# Altium PCB nanoga_mezzanine.PcbDoc (part 1 of 3) (continued)
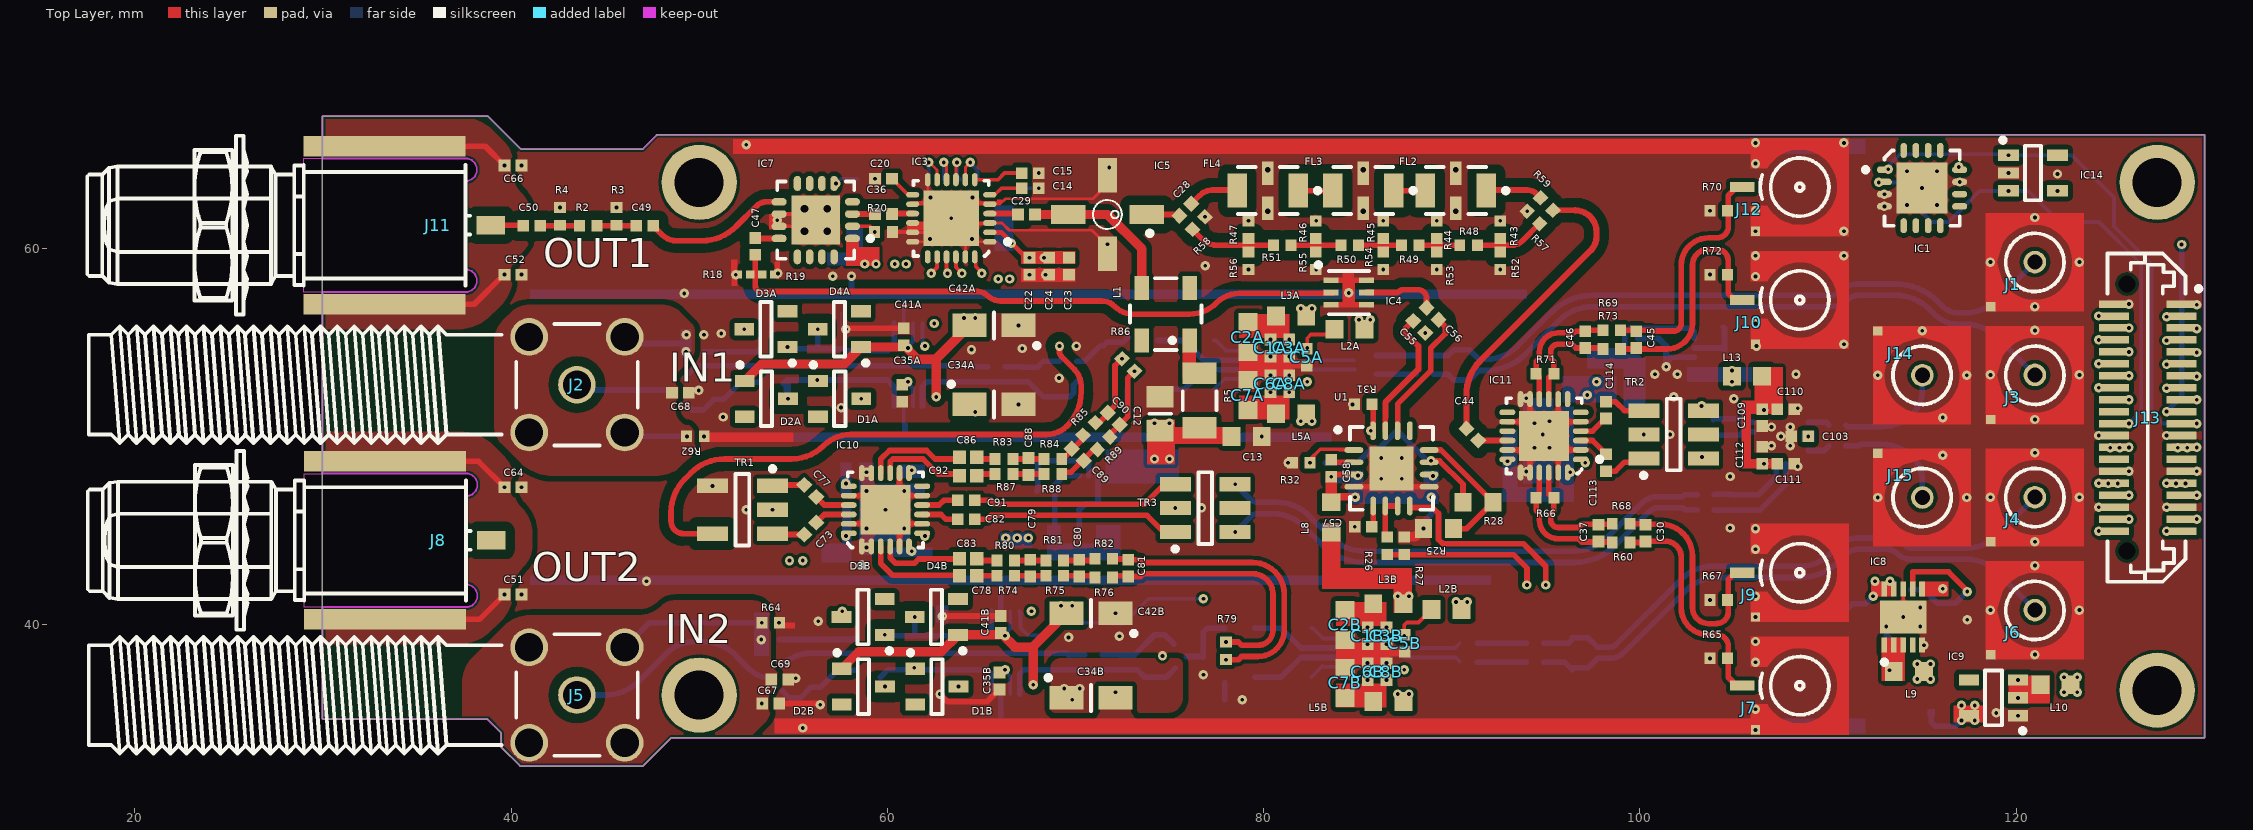
[diagram p0: Top Layer view]
## Classes and differential pairs
component class U_IQ_Modulator: C30 C37 C44 C45 C46 C48 C70 C71 C72 C113 C114 C116 IC11 L4 R38 R60 R65 R66 R67 R68 R69 R70 R71 R72 R73 TR2
component class U_Mgmt: C43 C54 IC1 IC14
component class U_DAC_channel2: C12 C13 C14 C15 C16 C17 C18 C19 C20 C21 C22 C23 C24 C28 C29 C36 C38 C39 C40 C47 C49 C50 C55 C56 C57 C58 C59 C60 C61 C62 FL2 FL3 FL4 IC3 IC4 IC5 IC7 L1 L6 L7 L8 R2 R3 R4 R5 R18 R19 R20 R23 R25 R26 R27 R28 R29 R30 R31 R32 R43 R44 R45 R46 R47 R48 R49 R50 R51 R52 R53 R54 R55 R56 R57 R58 R59 U1
component class U_ADC_channel2: C1B C2B C3B C4B C5B C6B C7B C8B C9B C31B C33B C34B C35B C41B C42B C63B D1B D2B D3B D4B IC2B IC6B L2B L3B L5B R1B R6B R7B R8B R9B R10B R11B R12B R13B R14B R15B R16B R21B R22B R24B R33B R34B R35B R36B R37B R40B R41B R42B
component class U_ADC_channel1: C1A C2A C3A C4A C5A C6A C7A C8A C9A C31A C33A C34A C35A C41A C42A C63A D1A D2A D3A D4A IC2A IC6A L2A L3A L5A R1A R6A R7A R8A R9A R10A R11A R12A R13A R14A R15A R16A R21A R22A R24A R33A R34A R35A R36A R37A R40A R41A R42A
channel class ADC_channel: U_ADC_channel1 U_ADC_channel2
component class U_B2B_connectors: J1 J3 J4 J6 J7 J9 J10 J12 J13 J14 J15 R17
component class U_FP_connectors: C10 C32 C51 C52 C64 C65 C66 C67 C68 C69 J2 J5 J8 J11 R61 R62 R63 R64
component class U_PowerSupply: C11 C25 C26 C27 C53 C76 C84 C87 C99 C100 C101 IC8 IC9 IC12 IC15 L9 L10 L12 L14 R39 R91 R100
net class 50_Ohms: IH_P NetC9A_2 NetC9B_2 NetC28_1 NetC28_2 NetC29_2 NetC31A_1 NetC31B_1 NetC36_1 NetC36_2 NetC44_1 NetC47_1 NetC49_1 NetC49_2 NetC50_1 NetC55_2 NetC56_1 NetC56_2 NetC74_2 NetFL2_1 NetFL2_3 NetFL3_3 NetIC2A_2 NetIC2A_3 NetIC2B_2 NetIC2B_3 NetIC6A_7 NetIC6B_7 NetR6A_2 NetR6B_2 NetR7A_2 NetR7B_2 NetR11A_1 NetR11B_1 NetR35A_2 NetR35B_2 NetR43_2 NetR44_2 NetR45_2 NetR46_2 NetR47_2 PD_IN QH_P RF2_OUT RF_IN RF_OUT1 SIG1_IN SIG2_IN
component class U_IQ_Demodulator: C73 C74 C75 C77 C78 C79 C80 C81 C82 C83 C85 C86 C88 C89 C90 C91 C92 C93 C94 C95 C96 C97 C98 IC10 L11 R74 R75 R76 R77 R78 R79 R80 R81 R82 R83 R84 R85 R86 R87 R88 R89 R90 R93 R96 R98 R99 TR1 TR3
component class U_LO_Distribution: C102 C103 C104 C105 C106 C107 C108 C109 C110 C111 C112 IC13 L13 R92 R94 R95 R97
differential pair LOM: +LOM_P -LOM_N
differential pair LO1: +LO1_P -LO1_N
differential pair LO0: +LO0_P -LO0_N
differential pair QBB: +QBB_P -QBB_N
differential pair IBB: +IBB_P -IBB_N
differential pair LOI: +LOI_P -LOI_N
differential pair DAC2_OUT: +DAC2_OUT_P -DAC2_OUT_N
differential pair DAC1_OUT: +DAC1_OUT_P -DAC1_OUT_N
differential pair ADC2_IN: +ADC2_IN_P -ADC2_IN_N
differential pair ADC1_IN: +ADC1_IN_P -ADC1_IN_N
differential pair LO_TRO: +LO_TRO_P -LO_TRO_N
differential pair LOI_DEMOD: +LOI_DEMOD_P -LOI_DEMOD_N
differential pair LOIMOD: +LOIMOD_P -LOIMOD_N
differential pair LOITR: +LOITR_P -LOITR_N
differential pair Q0: +Q0_P -Q0_N
differential pair Q1: +Q1_P -Q1_N
differential pair RFI: +RFI_P -RFI_N
differential pair RFITR: +RFITR_P -RFITR_N
differential pair IHI: +IHI_P -IHI_N
differential pair QHI: +QHI_P -QHI_N
differential pair IH: +IH_P -IH_N
differential pair QH: +QH_P -QH_N

## Components (designator, comment, footprint, x,y, rotation, side; value= is the part's Value field where it differs from the comment)
C1A "100nF" CAPC1005X55N 80.37,54.7 r90 top (schematic designator C1)
C1B "100nF" CAPC1005X55N 85.53,39.4 r90 top (schematic designator C1)
C2A "10uF" CAPC1608X87N 79.17,55.275 r90 top (schematic designator C2)
C2B "10uF" CAPC1608X87N 84.33,39.975 r90 top (schematic designator C2)
C3A "1nF" CAPC1005X55N 81.37,54.7 r90 top (schematic designator C3)
C3B "1nF" CAPC1005X55N 86.53,39.4 r90 top (schematic designator C3)
C4A "10pF" CAPC1608X87N 87,53.8 r90 bottom (schematic designator C4)
C4B "10pF" CAPC1608X87N 92.6,38.5 r90 bottom (schematic designator C4)
C5A "100nF" CAPC1005X55N 82.3,54.2 r90 top (schematic designator C5)
C5B "100nF" CAPC1005X55N 87.5,39 r90 top (schematic designator C5)
C6A "100nF" CAPC1005X55N 80.37,52.8 r270 top (schematic designator C6)
C6B "100nF" CAPC1005X55N 85.53,37.5 r270 top (schematic designator C6)
C7A "10uF" CAPC1608X87N 79.17,52.2 r270 top (schematic designator C7)
C7B "10uF" CAPC1608X87N 84.33,36.9 r270 top (schematic designator C7)
C8A "1nF" CAPC1005X55N 81.37,52.8 r270 top (schematic designator C8)
C8B "1nF" CAPC1005X55N 86.53,37.5 r270 top (schematic designator C8)
C9A "18pF" CAPC1005X55N 57.77,52.2 r90 bottom (schematic designator C9)
C9B "18pF" CAPC1005X55N 62.93,36.8 r90 bottom (schematic designator C9)
C10 "10pF" CAPC1005X55N 49.77,55.4 r0 bottom
C11 "10uF" CAPC1608X87N 112.9,41.1 r90 bottom
C12 "1uF" CAPC2012X140N 74.5,51.2 r270 top
C13 "100nF" CAPC1608X87N 79.1,50 r180 top
C14 "10nF" CAPC1005X55N 67.597,63.195 r180 top
C15 "10nF" CAPC1005X55N 67.597,63.995 r180 top
C16 "10nF" CAPC1005X55N 64.797,63.195 r90 bottom
C17 "10nF" CAPC1005X55N 63.897,63.195 r90 bottom
C18 "10nF" CAPC1005X55N 62.997,63.195 r90 bottom
C19 "10nF" CAPC1005X55N 62.097,63.195 r90 bottom
C20 "10nF" CAPC1005X55N 59.797,63.695 r0 top
C21 "10uF" CAPC1608X80N 66.197,62.465 r270 bottom
C22 "100nF" CAPC1005X55N 67.558,59.045 r90 top
C23 "1nF" CAPC1005X55N 69.658,59.045 r90 top
C24 "100pF" CAPC1005X55N 68.608,59.045 r90 top
C25 "4.7uF" CAPC1709X95N 113.5,38.3 r270 bottom
C26 "4.7uF" CAPC1709X95N 117.4,41 r90 bottom
C27 "2.2uF" CAPC1608X90N 120.1,35.8 r90 bottom
C28 "10nF" CAPC1005X55N 75.844,62.049 r225 top
C29 "10nF" CAPC1005X55N 67.397,61.795 r180 top
C30 "DNP" CAPC1005X55N 100.304,44.86 r270 top value=1.5nF
C31A "180pF" CAPC3216X140N 56.17,53.8 r270 bottom (schematic designator C31)
C31B "180pF" CAPC3216X140N 61.33,38.5 r270 bottom (schematic designator C31)
C32 "10pF" CAPC1005X55N 53.8,40.1 r0 bottom
C33A "18pF" CAPC1005X55N 57.77,55.3 r270 bottom (schematic designator C33)
C33B "18pF" CAPC1005X55N 62.93,40 r270 bottom (schematic designator C33)
C34A "10uF" CAPMP3216X180N 65.67,51.7 r0 top (schematic designator C34)
C34B "10uF" CAPMP3216X180N 70.83,36.1 r0 top (schematic designator C34)
C35A "100nF" CAPC1005X55N 60.8,52.3 r90 top (schematic designator C35)
C35B "100nF" CAPC1005X55N 65.96,37 r90 top (schematic designator C35)
C36 "10nF" CAPC1005X55N 59.797,61.82 r180 top
C37 "DNP" CAPC1005X55N 97.804,44.86 r270 top value=1.5nF
C38 "100pF" CAPC1005X55N 58.097,58.965 r270 bottom
C39 "10uF" CAPC1608X80N 57.497,60.865 r0 bottom
C40 "100nF" CAPC1005X55N 57.097,58.965 r90 bottom
C41A "100nF" CAPC1005X55N 60.87,55.3 r270 top (schematic designator C41)
C41B "100nF" CAPC1005X55N 66.03,40 r270 top (schematic designator C41)
C42A "10uF" CAPMP3216X180N 65.67,55.9 r180 top (schematic designator C42)
C42B "10uF" CAPMP3216X180N 70.83,40.6 r180 top (schematic designator C42)
C43 "100nF" CAPC1005X55N 122.2,63.5 r270 bottom
C44 "10nF" CAPC1005X55N 91.1,50.1 r135 top
C45 "DNP" CAPC1005X55N 99.806,55.147 r90 top value=1.5nF
C46 "DNP" CAPC1005X55N 97.106,55.147 r90 top value=1.5nF
C47 "10nF" CAPC1005X55N 52.975,60.097 r270 top
C48 "100nF" CAPC1005X55N 93.7,50.1 r180 bottom
C49 "10nF" CAPC1005X55N 47.1,61.195 r180 top
C50 "10nF" CAPC1005X55N 41.1,61.195 r180 top
C51 "10nF" CAPC1005X55N 40.1,41.6 r180 top
C52 "10nF" CAPC1005X55N 40.1,58.6 r180 top
C53 "2.2uF" CAPC1608X90N 118.2,35.3 r180 bottom
C54 "100nF" CAPC1005X55N 116.5,64.325 r0 bottom
C55 "10nF" CAPC1005X55N 88.282,55.818 r135 top
C56 "10nF" CAPC1005X55N 88.982,56.518 r315 top
C57 "100nF" CAPC1005X55N 85.3,45.2 r180 top
C58 "100nF" CAPC1005X55N 83.6,48.3 r90 top
C59 "100nF" CAPC1005X55N 88.915,46.321 r90 bottom
C60 "100nF" CAPC1005X55N 84.865,46.321 r90 bottom
C61 "100pF" CAPC1005X55N 88.165,47.921 r180 bottom
C62 "100pF" CAPC1005X55N 85.465,47.921 r0 bottom
C63A "10pF" CAPC1608X87N 90.1,53.8 r90 bottom (schematic designator C63)
C63B "10pF" CAPC1608X87N 96.4,38.5 r90 bottom (schematic designator C63)
C64 "10nF" CAPC1005X55N 40.1,47.3 r0 top
C65 "10nF" CAPC1005X55N 49.9,49.9 r180 bottom
C66 "10nF" CAPC1005X55N 40.1,64.4 r0 top
C67 "10nF" CAPC1005X55N 53.8,35.8 r180 top
C68 "10nF" CAPC1005X55N 49,52.313 r180 top
C69 "10nF" CAPC1005X55N 54.276,37.078 r180 top
C70 "100pF" CAPC1005X55N 93.7,49.1 r180 bottom
C71 "100nF" CAPC1005X55N 95.5,50.1 r0 bottom
C72 "100pF" CAPC1005X55N 95.5,48.1 r0 bottom
C73 "100pF" CAPC1005X55N 55.9,45.1 r45 top
C74 "100pF" CAPC1005X55N 69.6,54.9 r180 bottom
C75 "DNP" CAPC1005X55N 53.2,46.1 r180 bottom value=100pF
C76 "10uF" CAPC1608X87N 75.8,48.8 r180 bottom
C77 "100pF" CAPC1005X55N 55.9,47.1 r315 top
C78 "10uF" CAPC1005X70N 64.3,42.6 r0 top
C79 "DNP" CAPC1005X55N 67.6,43 r270 top value=1.5nF
C80 "DNP" CAPC1005X55N 70.2,43 r270 top value=1.5nF
C81 "DNP" CAPC1005X55N 72.8,43 r270 top value=1.5nF
C82 "100pF" CAPC1005X55N 64.2,45.6 r180 top
C83 "10uF" CAPC1005X70N 64.3,43.5 r0 top
C84 "4.7uF" CAPC1709X95N 68.1,45.8 r0 bottom
C85 "DNP" CAPC1005X55N 76,46.2 r0 bottom value=100pF
C86 "10uF" CAPC1005X70N 64.3,48.9 r0 top
C87 "4.7uF" CAPC1709X95N 67.2,47.1 r0 bottom
C88 "DNP" CAPC1005X55N 67.5,48.4 r90 top value=1.5nF
C89 "DNP" CAPC1005X55N 70.122,49.022 r135 top value=1.5nF
C90 "DNP" CAPC1005X55N 72.031,50.931 r135 top value=1.5nF
C91 "100pF" CAPC1005X55N 64.2,46.6 r180 top
C92 "10uF" CAPC1005X70N 64.3,47.9 r0 top
C93 "100nF" CAPC1005X55N 58.3,44 r180 bottom
C94 "100pF" CAPC1005X55N 58.3,45.3 r180 bottom
C95 "100nF" CAPC1005X55N 60.3,44.3 r270 bottom
C96 "100pF" CAPC1005X55N 61.2,44.3 r270 bottom
C97 "100nF" CAPC1005X55N 61.7,47.7 r90 bottom
C98 "100pF" CAPC1005X55N 60.9,47.7 r90 bottom
C99 "10uF" CAPC1608X87N 107.1,53.3 r180 bottom
C100 "4.7uF" CAPC1709X95N 100.6,52 r180 bottom
C101 "4.7uF" CAPC1709X95N 105.3,55.8 r180 bottom
C102 "10nF" CAPC1005X55N 103.6,51.3 r135 bottom
C103 "10nF" CAPC1005X55N 108.5,50 r0 top
C104 "10nF" CAPC1005X55N 110.5,50.6 r180 bottom
C105 "10nF" CAPC1005X55N 103.5,49.6 r225 bottom
C106 "10nF" CAPC1005X55N 110.5,49.4 r180 bottom
C107 "10nF" CAPC1005X55N 103.5,47 r180 bottom
C108 "10nF" CAPC1005X55N 103.5,46 r180 bottom
C109 "100nF" CAPC1005X55N 106.5,51 r90 top
C110 "100pF" CAPC1005X55N 107.75,51.45 r180 top
C111 "100nF" CAPC1005X55N 107.75,48.55 r180 top
C112 "100pF" CAPC1005X55N 106.5,49 r270 top
C113 "10nF" CAPC1005X55N 98.2,48.6 r90 top
C114 "10nF" CAPC1005X55N 98.2,51.4 r270 top
C116 "DNP" CAPC1005X55N 100.9,50.1 r0 bottom value=100pF
D1A "BAV199" SOT95P240X110-3N 57.47,52 r0 top (schematic designator D1)
D1B "BAV199" SOT95P240X110-3N 62.63,36.7 r0 top (schematic designator D1)
D2A "BAV199" SOT95P240X110-3N 53.57,52 r0 top (schematic designator D2)
D2B "BAV199" SOT95P240X110-3N 58.73,36.7 r0 top (schematic designator D2)
D3A "BAV199" SOT95P240X110-3N 53.55,55.7 r180 top (schematic designator D3)
D3B "BAV199" SOT95P240X110-3N 58.71,40.4 r180 top (schematic designator D3)
D4A "BAV199" SOT95P240X110-3N 57.45,55.7 r180 top (schematic designator D4)
D4B "BAV199" SOT95P240X110-3N 62.61,40.4 r180 top (schematic designator D4)
FL2 "DC to 3000MHz" FIL_MINI-CIRCUITS_FV1206 90.222,63.065 r180 top
FL3 "DC to 3000MHz" FIL_MINI-CIRCUITS_FV1206 85.297,63.065 r180 top
FL4 "DC to 3000MHz" FIL_MINI-CIRCUITS_FV1206 80.222,63.065 r180 top
IC1 "ADT7420UCPZ-R2" QFN65P400X400X80-17N-S270 115,63.2 r0 top
IC2A "ADA4927-1YCPZ-R2" QFN50P300X300X100-17N-S145 80.87,53.8 r0 bottom (schematic designator IC2)
IC2B "ADA4927-1YCPZ-R2" QFN50P300X300X100-17N-S145 86.03,38.5 r0 bottom (schematic designator IC2)
IC3 "HMC542BLP4E" QFN50P400X400X100-25N-S295 63.397,61.595 r180 top
IC4 "YAT-12+" MINI-CIRCUITS_MC1630 84.525,57.65 r0 top
IC5 "ERA-4XSM+" MINI-CIRCUITS_WW107 71.697,61.795 r180 top
IC6A "AD8253ARMZ" SOP50P490X110-10N 61.37,53.8 r270 bottom (schematic designator IC6)
IC6B "AD8253ARMZ" SOP50P490X110-10N 66.53,38.5 r270 bottom (schematic designator IC6)
IC7 "HMC349LP4C" QFN65P400X400X100-16N 56.197,61.495 r180 top
IC8 "LT3045EDD#PBF" SON50P300X300X80-11N-R175X248 114,40.4 r90 top
IC9 "ADP7182AUJZ-5.0-R7" SOT95P280X90-5N 118.8,36.1 r180 top
IC10 "ADL5380ACPZ-R7" QFN50P400X400X100-25N-S265 59.9,46.1 r90 top
IC11 "ADL5375-05ACPZ-R7" QFN50P400X400X100-25N-S265 94.91,50.03 r180 top
IC12 "LT3045EDD#PBF" SON50P300X300X80-11N-R175X248 101.4,54.2 r0 bottom
IC13 "ADCLK944BCPZ" QFN50P300X300X80-17N-S160 107.5,50 r180 bottom
IC14 "24AA02E48T-I/OT" SOT95P280X145-5N 120.9,64 r0 top
IC15 "LT3045EDD#PBF" SON50P300X300X80-11N-R175X248 71.2,46.4 r90 bottom
J1 "SMP" AMPHENOL_SMP-MSLD-PCT-10 121,59.25 r90 top locked
J2 "SMA" TELEGARTNER_J01151A0921 43.5,52.75 r0 top locked
J3 "SMP" AMPHENOL_SMP-MSLD-PCT-10 121,53.25 r90 top locked
J4 "SMP" AMPHENOL_SMP-MSLD-PCT-10 121,46.75 r90 top locked
J5 "SMA" TELEGARTNER_J01151A0921 43.5,36.25 r0 top locked
J6 "SMP" AMPHENOL_SMP-MSLD-PCT-10 121,40.75 r90 top locked
J7 "SMP" MOLEX_85305-0232 108.5,36.75 r90 top
J8 "SMA" TELEGARTNER_J01151A0451 38.95,44.474 r180 top locked
J9 "SMP" MOLEX_85305-0232 108.5,42.75 r90 top
J10 "SMP" MOLEX_85305-0232 108.5,57.25 r90 top
J11 "SMA" TELEGARTNER_J01151A0451 38.925,61.225 r180 top locked
J12 "SMP" MOLEX_85305-0232 108.5,63.25 r90 top
J13 "Familly" SAMTEC_LSS-120-02-L-DV-A 127,51 r90 top
J14 "SMP" AMPHENOL_SMP-MSLD-PCT-10 115,53.25 r0 top locked
J15 "SMP" AMPHENOL_SMP-MSLD-PCT-10 115,46.75 r0 top locked
L1 "0.5uH@200mA" IND_MINI-CIRCUITS_GU1604 74.8,56.5 r180 top
L2A "390R@100MHz" INDC1608X95N 84.57,55.7 r180 top (schematic designator L2)
L2B "390R@100MHz" INDC1608X95N 89.73,40.8 r180 top (schematic designator L2)
L3A "390R@100MHz" INDC1608X95N 81.47,56.4 r0 top (schematic designator L3)
L3B "390R@100MHz" INDC1608X95N 86.63,41.1 r0 top (schematic designator L3)
L4 "390R@100MHz" INDC1608X95N 96.4,51.9 r270 bottom
L5A "390R@100MHz" INDC1608X95N 81.47,51.2 r180 top (schematic designator L5)
L5B "390R@100MHz" INDC1608X95N 86.63,35.9 r180 top (schematic designator L5)
L6 "390R@100MHz" INDC1608X95N 59.897,59.565 r0 bottom
L7 "390R@100MHz" INDC1608X95N 66.197,59.565 r90 bottom
L8 "390R@100MHz" INDC1608X95N 83.6,45.7 r270 top
L9 "390R@100MHz" INDC1608X95N 114.3,37.5 r180 top
L10 "390R@100MHz" INDC1608X95N 122.1,36.8 r180 top
L11 "390R@100MHz" INDC1608X95N 56,43.8 r0 bottom
L12 "390R@100MHz" INDC1608X95N 97.7,53.5 r90 bottom
L13 "390R@100MHz" INDC1608X95N 105.7,53.2 r0 top
L14 "390R@100MHz" INDC1608X95N 68.1,44.4 r0 bottom
R1A "332" RESC1608X55N 76.57,55.1 r0 bottom (schematic designator R1)
R1B "332" RESC1608X55N 81.73,39.8 r0 bottom (schematic designator R1)
R2 "0" RESC1005X40N 44.1,61.195 r180 top
R3 "0" RESC1005X40N 45.6,61.695 r270 top
R4 "0" RESC1005X40N 42.6,61.695 r270 top
R5 "100" RESC3216X65N 76.6,51.9 r90 top
R6A "0" RESC1005X40N 48.9,52.8 r45 bottom (schematic designator R6)
R6B "0" RESC1005X40N 54.06,37.5 r45 bottom (schematic designator R6)
R7A "0" RESC1005X40N 65.8,53.7 r0 bottom (schematic designator R7)
R7B "0" RESC1005X40N 70.96,38.4 r0 bottom (schematic designator R7)
R8A "0" RESC1005X40N 69.6,54 r180 bottom (schematic designator R8)
R8B "0" RESC1005X40N 75.562,38.632 r135 bottom (schematic designator R8)
R9A "332" RESC1608X55N 73.6,55.37 r0 bottom (schematic designator R9)
R9B "332" RESC1608X55N 78.73,40.2 r0 bottom (schematic designator R9)
R10A "0" RESC1005X40N 85.53,54.3 r0 bottom (schematic designator R10)
R10B "0" RESC1005X40N 90.89,39 r0 bottom (schematic designator R10)
R11A "0" RESC1005X40N 49.6,52.1 r45 bottom (schematic designator R11)
R11B "0" RESC1005X40N 54.76,36.8 r45 bottom (schematic designator R11)
R12A "0" RESC1005X40N 69.6,53.1 r180 bottom (schematic designator R12)
R12B "0" RESC1005X40N 74.96,38 r135 bottom (schematic designator R12)
R13A "332" RESC1608X55N 73.57,52.2 r0 bottom (schematic designator R13)
R13B "332" RESC1608X55N 78.73,37.1 r0 bottom (schematic designator R13)
R14A "0" RESC1005X40N 64.476,54.146 r270 bottom (schematic designator R14)
R14B "0" RESC1005X40N 69.636,38.846 r270 bottom (schematic designator R14)
R15A "0" RESC1005X40N 67.176,54.146 r270 bottom (schematic designator R15)
R15B "0" RESC1005X40N 72.336,38.846 r270 bottom (schematic designator R15)
R16A "56" RESC1005X40N 71.5,55.3 r270 bottom (schematic designator R16)
R16B "56" RESC1005X40N 76.8,37.8 r90 bottom (schematic designator R16)
R17 "DNP" RESC1005X40N 111.75,50.05 r90 bottom value=100
R18 "100" RESC0603X28N 52.375,58.597 r0 top
R19 "100" RESC0603X28N 53.675,58.597 r180 top
R20 "4k7" RESC1005X40N 59.797,60.865 r180 top
R21A "0" RESC1005X40N 85.53,53.3 r0 bottom (schematic designator R21)
R21B "0" RESC1005X40N 90.89,38 r0 bottom (schematic designator R21)
R22A "332" RESC1608X55N 76.57,52.5 r0 bottom (schematic designator R22)
R22B "332" RESC1608X55N 81.73,37.2 r0 bottom (schematic designator R22)
R23 "4k7" RESC1005X40N 58.887,63.695 r180 bottom
R24A "56" RESC1005X40N 72.2,51.1 r0 bottom (schematic designator R24)
R24B "56" RESC1005X40N 78.4,36 r180 bottom (schematic designator R24)
R25 "1k4" RESC1608X55N 89.3,45.1 r180 top
R26 "1k" RESC1005X40N 86.577,44.185 r270 top
R27 "1k" RESC1005X40N 87.477,44.185 r270 top
R28 "845" RESC1608X55N 91.4,46.5 r0 top
R29 "3k24" RESC1608X55N 86.3,50.3 r0 bottom
R30 "13k" RESC1005X40N 82.8,48.6 r180 bottom
R31 "1k" RESC1005X40N 85.3,51.7 r0 top
R32 "10k" RESC1005X40N 82,48.6 r0 top
R33A "1k5" RESC1608X55N 53.67,52.8 r0 bottom (schematic designator R33)
R33B "1k5" RESC1608X55N 58.83,37.2 r0 bottom (schematic designator R33)
R34A "100k" RESC1005X35N 51.3,51.5 r90 bottom (schematic designator R34)
R34B "100k" RESC1005X35N 56.46,36.2 r90 bottom (schematic designator R34)
R35A "0" RESC1005X40N 49.77,54.5 r0 bottom (schematic designator R35)
R35B "0" RESC1005X40N 53.8,39.2 r0 bottom (schematic designator R35)
R36A "1k5" RESC1608X55N 53.67,54.7 r0 bottom (schematic designator R36)
R36B "1k5" RESC1608X55N 58.83,39.5 r0 bottom (schematic designator R36)
R37A "100k" RESC1005X35N 51.17,55 r270 bottom (schematic designator R37)
R37B "100k" RESC1005X35N 56.33,39.7 r270 bottom (schematic designator R37)
R38 "10k" RESC1005X40N 97.1,49.1 r90 bottom
R39 "49k9" RESC1608X55N 114.4,41.05 r90 bottom
R40A "49R9" RESC1005X40N 88.57,54.3 r180 bottom (schematic designator R40)
R40B "49R9" RESC1005X40N 94.43,39 r180 bottom (schematic designator R40)
R41A "1k" RESC1005X40N 84.1,53.8 r270 bottom (schematic designator R41)
R41B "1k" RESC1005X40N 89.6,38.5 r270 bottom (schematic designator R41)
R42A "49R9" RESC1005X40N 88.57,53.3 r180 bottom (schematic designator R42)
R42B "49R9" RESC1005X40N 94.43,38 r180 bottom (schematic designator R42)
R43 "0" RESC1005X40N 92.575,60.99 r270 top
R44 "0" RESC1005X40N 89.2,60.99 r270 top
R45 "0" RESC1005X40N 86.363,60.99 r270 top
R46 "0" RESC1005X40N 82.78,60.99 r270 top
R47 "0" RESC1005X40N 79.197,60.99 r270 top
R48 "0" RESC1005X40N 90.897,60.165 r180 top
R49 "0" RESC1005X40N 87.797,60.165 r180 top
R50 "0" RESC1005X40N 84.581,60.165 r180 top
R51 "0" RESC1005X40N 80.999,60.16 r0 top
R52 "0" RESC1005X40N 92.575,59.34 r90 top
R53 "0" RESC1005X40N 89.2,59.34 r90 top
R54 "0" RESC1005X40N 86.363,59.34 r90 top
R55 "0" RESC1005X40N 82.78,59.34 r90 top
R56 "0" RESC1005X40N 79.197,59.34 r90 top
R57 "0" RESC1005X40N 94.344,61.641 r135 top
R58 "0" RESC1005X40N 76.551,61.341 r45 top
R59 "0" RESC1005X40N 95.051,62.349 r135 top
R60 "0" RESC1005X40N 99.004,44.36 r180 top
R61 "100k" RESC1005X40N 40.1,41.6 r180 bottom
R62 "100k" RESC1005X40N 49.8,50 r180 top
R63 "100k" RESC1005X40N 40.1,58.6 r180 bottom
R64 "100k" RESC1005X40N 53.8,40.1 r180 top
R65 "49R9" RESC1005X35N 104.2,38.2 r0 top
R66 "100" RESC1005X35N 94.96,46.73 r180 top
R67 "49R9" RESC1005X35N 104.2,41.3 r180 top
R68 "0" RESC1005X40N 99.004,45.36 r180 top
R69 "0" RESC1005X40N 98.506,55.647 r180 top
R70 "49R9" RESC1005X35N 104.2,62 r0 top
R71 "100" RESC1005X35N 94.96,53.33 r180 top
R72 "49R9" RESC1005X35N 104.2,58.6 r180 top
R73 "0" RESC1005X40N 98.506,54.647 r180 top
R74 "0" RESC1005X40N 66.3,42.6 r0 top
R75 "0" RESC1005X40N 68.9,42.6 r0 top
R76 "0" RESC1005X40N 71.5,42.5 r0 top
R77 "1k5" RESC1005X40N 57.8,46.7 r270 bottom
R78 "10k" RESC1005X40N 62.2,44.3 r270 bottom
R79 "DNP" RESC1005X40N 78,38.6 r90 top value=0
R80 "0" RESC1005X40N 66.3,43.4 r0 top
R81 "0" RESC1005X40N 68.9,43.4 r0 top
R82 "0" RESC1005X40N 71.5,43.5 r0 top
R83 "0" RESC1005X40N 66.2,48.8 r0 top
R84 "0" RESC1005X40N 68.8,48.8 r0 top
R85 "0" RESC1005X40N 70.729,50.395 r45 top
R86 "DNP" RESC1005X40N 72.8,53.8 r135 top value=0
R87 "0" RESC1005X40N 66.2,48 r0 top
R88 "0" RESC1005X40N 68.8,48 r0 top
R89 "0" RESC1005X40N 71.495,49.629 r45 top
R90 "DNP" RESC1005X40N 58.3,48.3 r180 bottom value=0
R91 "33k2" RESC1608X55N 105.3,54.6 r180 bottom
R92 "200" RESC1005X40N 104.8,51.4 r270 bottom
R93 "0" RESC1005X40N 78,39.6 r90 bottom
R94 "200" RESC1005X40N 104.8,49.6 r270 bottom
R95 "200" RESC1005X40N 104.8,47.4 r270 bottom
R96 "0" RESC1005X40N 78,37.7 r270 bottom
R97 "200" RESC1005X40N 104.8,45.6 r270 bottom
R98 "0" RESC1005X40N 72.8,54.8 r90 bottom
R99 "0" RESC1005X40N 72.8,52.8 r270 bottom
R100 "115k" RESC1608X55N 67.2,48.7 r0 bottom
TR1 "1:1" XFMR_MINI-CIRCUITS_AT1521 52.3,46.1 r270 top
TR2 "TCM2-43X+" XFMR_MINI-CIRCUITS_DB1627 101.8,50.1 r90 top
TR3 "TCM2-43X+" XFMR_MINI-CIRCUITS_DB1627 76.9,46.19 r90 top